# KiCad board 2000ATX.kicad_pcb (continued)
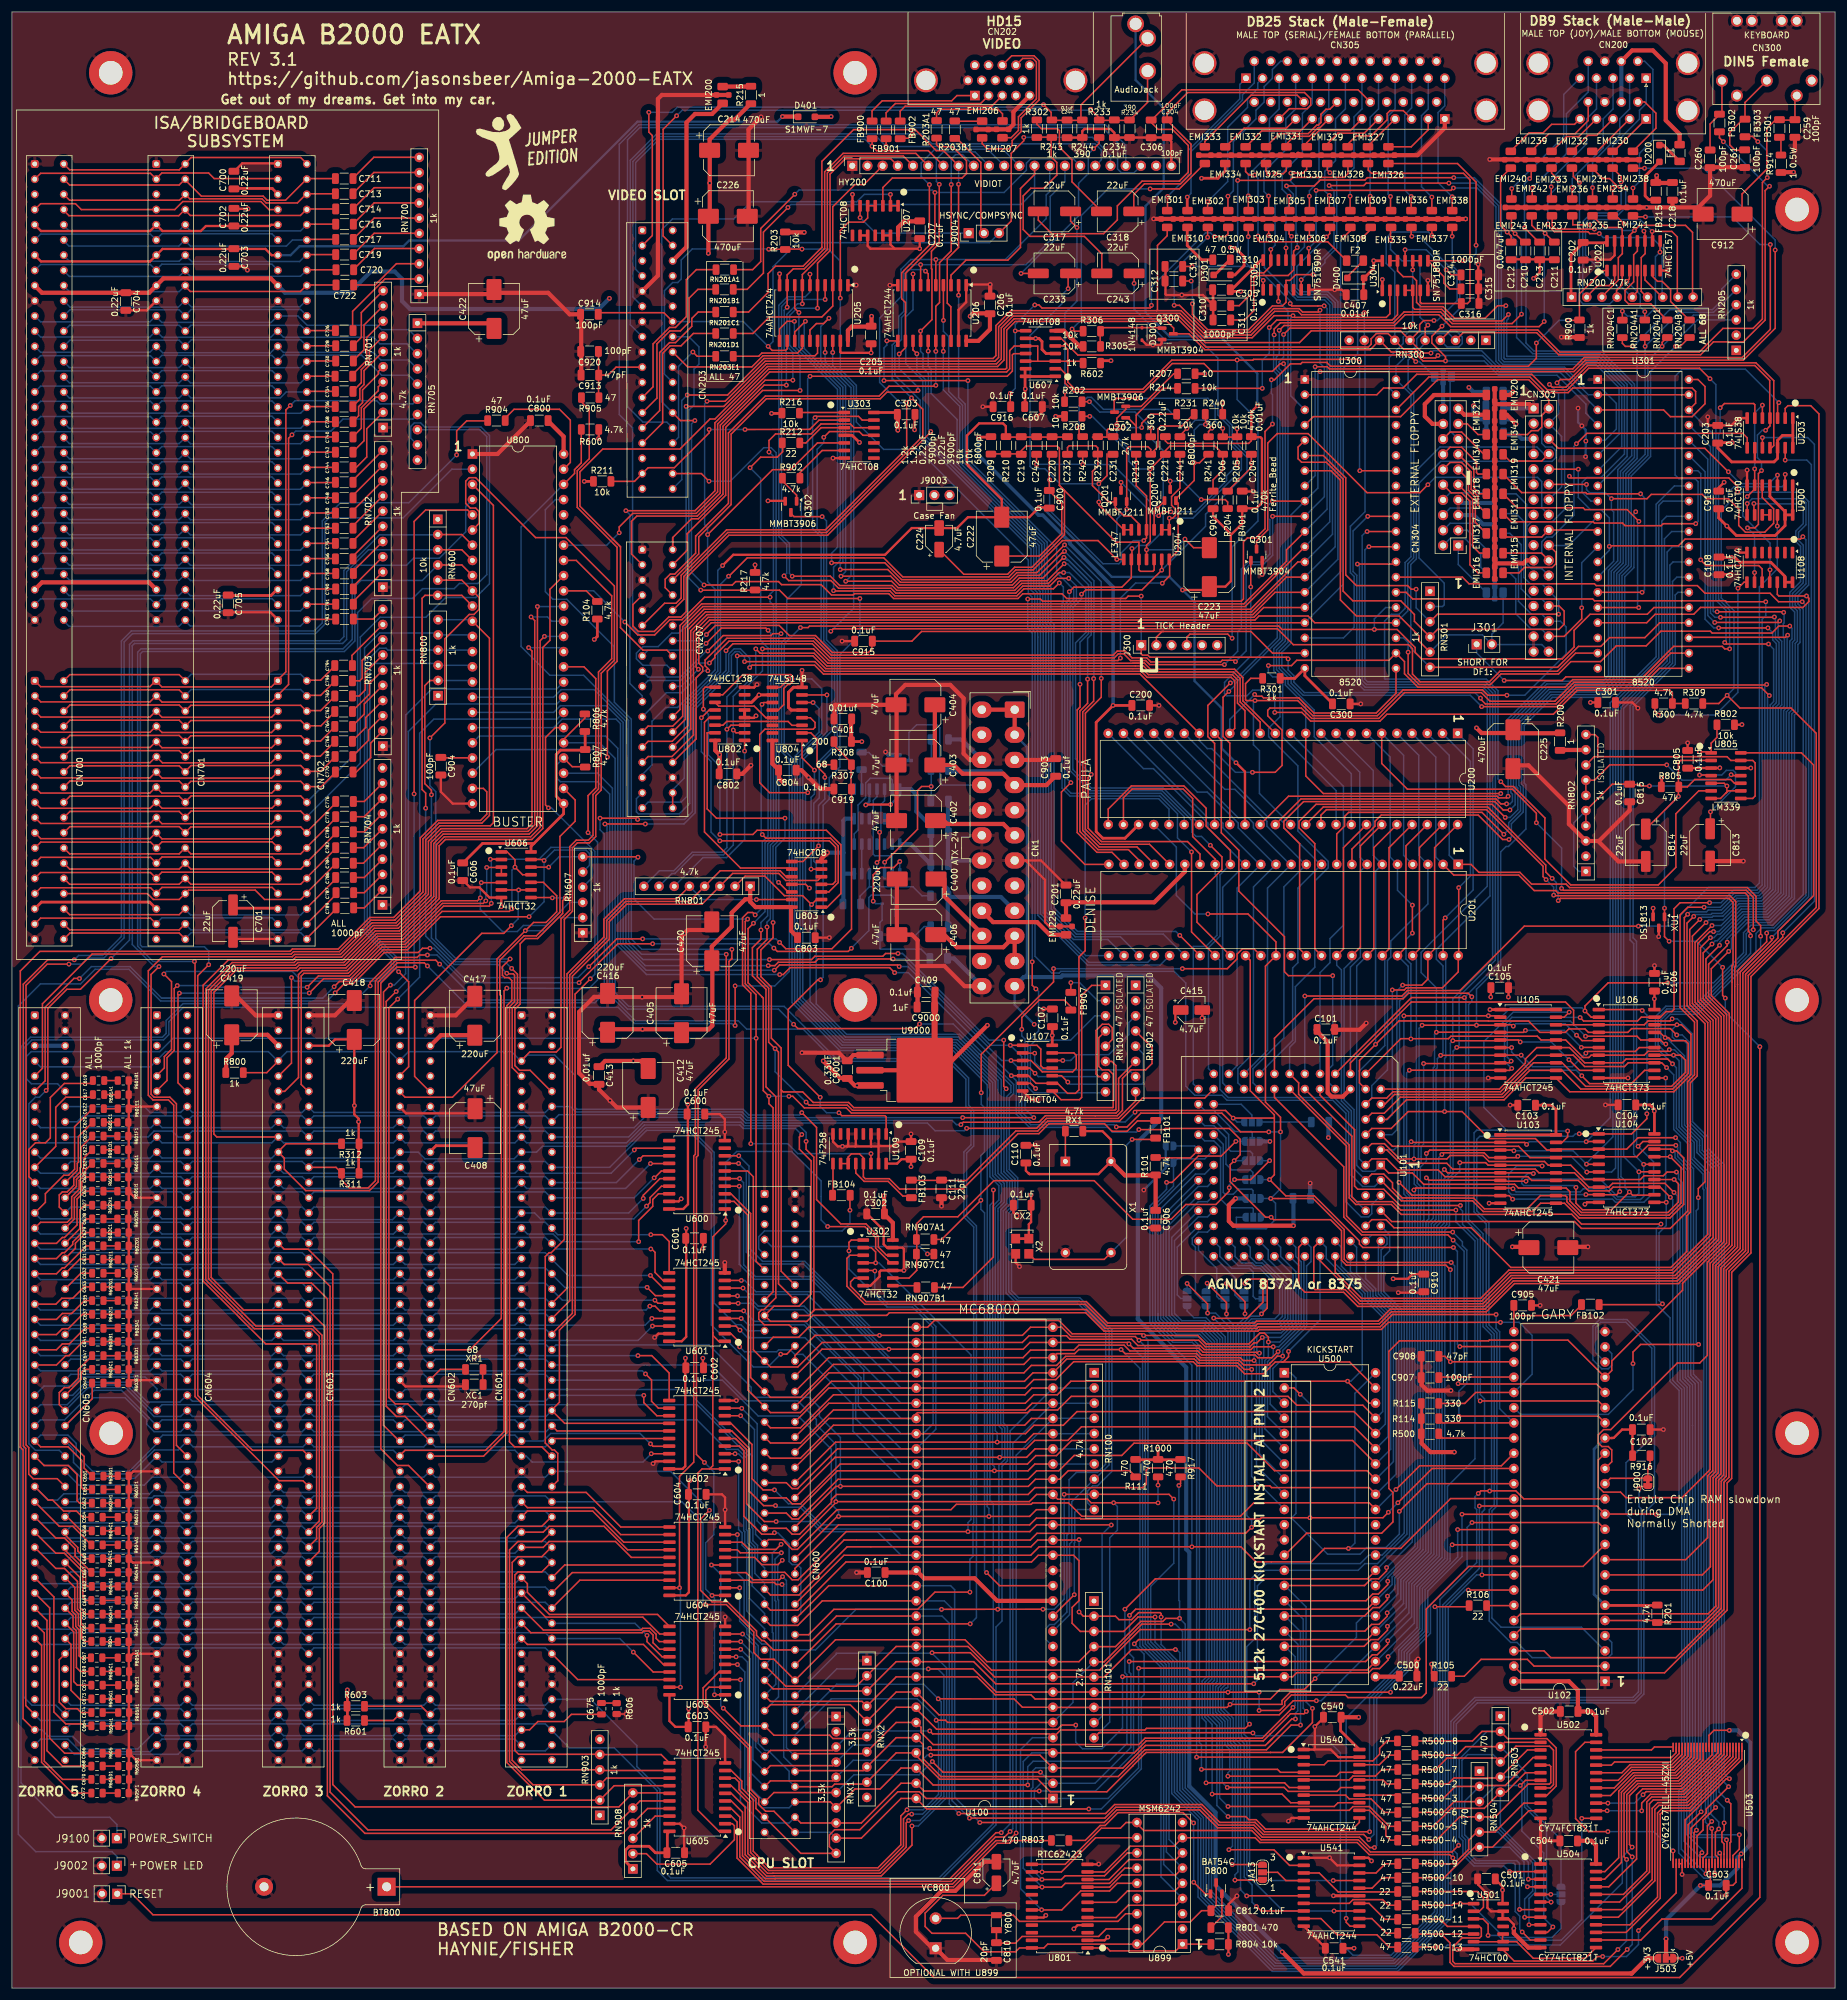
[diagram p0: board, top side]
## Routing (per net, layer and track width the routed paths; a pad name or vN(x,y) marks a point on that pad's centre or on a via; arc(x,y) is an arc through that point) (continued)
PPD0: length 222
  Top w0.25: v1(194.31,281.18) 195.21,281.18 199.72,276.66 206.96,276.66 210.93,280.63 215.21,280.63 215.77,280.06 218.39,280.06 v1(218.69,280.37) ; U300.10 v1(210.77,245.92) ; v1(204.56,221.65) 204.34,221.87 202.36,221.87 202.08,221.6 190.4,221.6 189.72,222.27 187.25,222.27 186.12,223.4 184.78,223.4 184.11,222.72 136.98,222.72 134.15,225.55 119.53,225.55 115.89,221.9 115.89,220.95 116.34,220.49 v1(116.34,220.12) ; 199.9,294.26 v1(199.9,292.56)
  Bottom w0.25: v1(218.69,280.37) 218.69,271.5 219.42,270.78 219.42,249.19 U300.10 ; CN207.23 109.4,216.45 111.92,216.45 115.6,220.12 v1(116.34,220.12) ; v1(204.56,221.65) 206.34,223.44 206.34,237.28 206.91,237.85 209.19,237.85 210.77,239.42 v1(210.77,245.92) ; v1(194.31,281.18) 194.31,286.97 v1(199.9,292.56)
PPD1: length 188.9
  Top w0.25: 206.71,294.26 v1(206.71,292.66) ; CN207.24 111.68,213.64 111.68,227.67 115.31,231.29 205.97,231.29 213.09,238.42 213.09,240.32 U300.11 ; v1(213.72,281.48) 213.72,281.33 213.97,281.08 218.33,281.08 218.35,281.09 v1(219.39,281.09)
  Bottom w0.25: v1(219.39,281.09) 219.87,280.61 219.87,247.1 U300.11 ; v1(206.71,292.66) 206.71,288.91 213.72,281.9 v1(213.72,281.48)
PPD2: length 195.1
  Top w0.25: 210.11,294.26 v1(210.11,292.86) ; U300.12 206.15,230.84 115.49,230.84 112.13,227.48 112.13,212.52 110.48,210.87 106.36,210.87 CN207.25
  Bottom w0.25: v1(210.11,292.86) 209.4,292.15 209.4,287.49 214.13,282.75 214.16,282.75 214.82,282.09 219.46,282.09 220.32,281.24 220.32,245.01 U300.12
PPD3: length 190
  Top w0.25: CN207.26 112.58,212 112.58,227.26 115.71,230.39 207.07,230.39 214.98,238.3 U300.13 ; 213.51,294.26 213.51,293.12 v1(213.92,292.71)
  Bottom w0.25: U300.13 220.78,242.93 220.78,281.41 219.65,282.54 215,282.54 214.34,283.2 214.32,283.2 213.92,283.6 v1(213.92,292.71)
PPD4: length 199.2
  Top w0.25: 216.92,294.26 216.92,292.66 v1(216.87,292.61) ; CN207.27 106.36,208.33 110.38,208.33 113.03,210.98 113.03,212.07 113.03,227.03 115.95,229.94 207.26,229.94 213.08,235.76 U300.14
  Bottom w0.25: U300.14 221.23,240.84 221.23,281.6 219.84,282.99 215.19,282.99 214.51,283.67 214.49,283.67 214.37,283.79 214.37,289.24 216.09,290.96 216.09,291.83 v1(216.87,292.61)
PPD5: length 197.1
  Top w0.25: CN207.28 113.48,210.36 113.48,226.77 116.21,229.49 207.44,229.49 211.17,233.22 U300.15 ; v1(219.76,292.6) 220.32,293.16 220.32,294.21
  Bottom w0.25: U300.15 221.68,238.75 221.68,281.79 220.02,283.44 215.37,283.44 214.82,284 214.82,287.66 v1(219.76,292.6)
PPD6: length 198.2
  Top w0.25: v1(222.71,292.61) 223.72,293.62 223.72,294.21 ; U300.16 209.27,230.68 207.63,229.04 116.39,229.04 113.93,226.58 113.93,209.36 110.36,205.79 106.36,205.79 CN207.29
  Bottom w0.25: U300.16 222.13,236.66 222.13,292.03 v1(222.71,292.61)
PPD7: length 195.9
  Top w0.25: CN207.30 114.38,208.72 114.38,218.92 115.48,220.02 115.48,220.72 114.83,221.37 114.83,226.06 116.92,228.14 U300.17 ; 227.08,293.78 v1(225.83,292.53)
  Bottom w0.25: v1(225.83,292.53) 224.99,291.69 224.99,273.04 222.58,270.63 222.58,234.57 U300.17
PPOUT: length 287
  Top w0.25: 100.38,242.19 94.96,247.61 94.96,253.35 98.77,257.17 111.68,257.17 116.7,262.19 117.54,262.19 126.31,270.95 164.78,270.95 165.86,272.03 165.86,277.24 167.56,278.94 194.9,278.94 199.63,274.21 226.78,274.21 227.24,274.67 227.24,275.59 228.11,276.46 230.07,276.46 RN300.7 232.69,273.84 234.59,273.84 236.03,272.4 238,272.4 v1(238.4,272.8) ; 100.38,242.19 101.74,240.83 ; 100.38,242.19 101.74,240.83 ; 101.74,240.83 101.74,227.32 105.49,223.57 109.48,223.57 CN207.16 ; U301.40 281.89,268.78 283.06,267.61 283.06,264.73 280.91,262.58 277.26,262.58 276.14,263.7 U301.3 ; EMI337.1 v1(237.39,292.86)
  Bottom w0.25: v1(238.4,272.8) 245.87,272.8 248.71,269.95 258.88,269.95 U301.3 ; v1(237.39,292.86) 236.82,293.43 230.74,293.43 229.75,292.45 229.75,288.18 231.19,286.74 RN300.7
PSEL: length 254.6
  Top w0.25: v1(240.79,292.71) EMI338.1 ; v1(239.09,277.7) 237.4,276 237.4,274.87 239.67,272.59 v1(239.67,271.88) 235.91,271.88 234.41,273.39 230.6,273.39 RN300.8 227.08,273.76 199.44,273.76 196.78,276.42 194.22,276.42 194.22,277.37 193.11,278.49 167.74,278.49 166.31,277.05 166.31,270.7 166.1,270.5 126.49,270.5 117.53,261.53 117.53,250.19 114.2,246.86 v1(102.64,246.86)
  Bottom w0.25: v1(240.79,292.71) 240.79,287.81 242.06,286.54 242.06,280.67 v1(239.09,277.7) ; v1(239.67,271.88) 246.15,271.88 248.53,269.49 258.32,269.49 263.14,264.67 263.14,263.14 U301.4 ; CN207.21 105.38,215.91 103.31,217.99 103.31,246.2 v1(102.64,246.86)
PSTROBE: length 219.8
  Top w0.25: 191.39,280.29 191.52,280.41 191.52,291.19 193.14,292.81 193.14,294.23 ; 191.39,280.29 195.46,280.29 199.53,276.21 207.15,276.21 211.11,280.18 215.02,280.18 215.59,279.61 225.76,279.61 v1(226.11,279.96) ; 191.39,280.29 167,280.29 164.51,277.8 164.51,272.77 164.03,272.3 125.75,272.3 119.64,266.19 v1(112.9,266.19)
  Bottom w0.25: v1(226.11,279.96) RN300.9 ; 226.22,275.23 226.22,246.69 223.77,244.24 223.77,236.5 224.39,235.88 224.39,227.38 222.61,225.6 U300.18 ; CN203.36 111.99,252.05 111.99,265.28 v1(112.9,266.19)
R0: length 98.8
  Top w0.25: v1(129.48,267.84) 125.75,267.84 118.88,260.97 118.88,249.63 114.76,245.51 113.61,245.51 110.46,242.37 ; CN207.2 110.46,242.37 ; 110.46,242.37 110.46,240.87 ; v1(129.6,280.86) U205.9 129.6,286.26 130.62,287.27 132.46,287.27 135.87,290.69 135.87,303.49 138.96,306.57 151.11,306.57 HY200.6
  Bottom w0.25: v1(129.6,280.86) 129.11,280.37 129.11,273.81 129.48,273.45 v1(129.48,267.84)
R1: length 105.9
  Top w0.25: HY200.5 149.02,306.12 139.15,306.12 136.32,303.3 136.32,290.5 132.14,286.32 U205.7 v1(132.14,281.43) ; v1(130.56,268.67) 125.94,268.67 118.43,261.16 118.43,249.82 114.57,245.96 104.46,245.96 103.58,245.08 103.58,239.63 CN207.3
  Bottom w0.25: v1(132.14,281.43) 131.32,281.43 129.56,279.67 129.56,274.32 130.56,273.33 v1(130.56,268.67)
R2: length 96.2
  Top w0.25: v1(134.68,280.7) U205.5 134.68,288.23 136.77,290.32 136.77,303.11 139.33,305.67 146.93,305.67 HY200.4 ; v1(131.76,266.95) 125.49,266.95 119.33,260.79 119.33,249.44 112.89,243 112.89,240.25 CN207.4
  Bottom w0.25: v1(134.68,280.7) 131.22,280.7 130.01,279.48 130.01,274.51 131.76,272.76 v1(131.76,266.95)
R3: length 46.4
  Top w0.25: HY200.3 142.43,301.36 140.93,301.36 137.22,297.65 U205.3 137.22,281.05 135.41,279.24 126.63,279.24 123.88,276.48 120.53,276.48
R_W: length 627.7
  Top w0.25: 180.45,51.99 U100.9 164.27,51.99 160.23,56.03 v1(153.83,56.03) ; v1(210.06,220.98) 213.92,220.98 214.8,221.86 230.19,221.86 U300.22 232.82,221.64 232.82,219.62 235.07,217.37 259.67,217.37 260.94,218.64 272.9,218.64 277.32,223.06 U301.22 ; v1(150.47,27.08) 150.47,23.88 145.33,18.74 127.42,18.74 127.4,18.72 126.14,18.72 122.58,22.28 122.58,30.21 120.25,32.54 U605.6 ; v1(274.93,79.15) 274.88,79.2 U102.12 265,80.54 v1(245.34,80.54) ; RN101.6 182.6,51.97 187.17,56.54 192.91,56.54 v1(194.52,56.55) ; v1(275.69,127.66) 262.41,127.66 260.77,129.3 255.51,129.3 255.48,129.27 232.28,129.27 230.62,130.93 224.67,130.93 223.57,132.03 223.57,140.88 215.12,149.33 215.12,151.25 U101.22
  Bottom w0.25: v1(210.06,220.98) 210.06,219.81 210.78,219.09 211.35,219.09 212,218.45 212,212.42 210.1,210.52 210.1,209.11 214.99,204.23 214.99,193.34 220.07,188.26 220.07,187.22 217.82,184.97 217.82,170.58 214.57,167.33 214.57,158.16 213.61,157.2 U101.22 ; v1(153.83,56.03) 153.75,55.95 137.8,55.95 137.8,55.77 CN600.68 ; v1(274.93,79.15) 277.19,79.15 278.72,80.67 278.72,99.87 277.22,101.37 277.22,111.98 274.93,114.27 274.93,126.9 v1(275.69,127.66) ; v1(245.34,80.54) 245.34,70.13 239.2,63.99 239.2,12.19 231.14,4.14 211.28,4.14 199.66,15.76 199.66,28.67 195.26,33.06 195.26,56.03 194.74,56.55 v1(194.52,56.55) ; 153.72,56.03 156.26,53.49 156.26,31.81 151.53,27.08 v1(150.47,27.08)
RAWLEFT: length 161.9
  Top w0.25: v1(192.33,234.75) 193.55,235.97 193.55,238.67 ; 199.56,262.99 199.56,261.24 ; v1(185.32,222.22) 184.92,221.82 136.6,221.82 133.81,224.62 120.53,224.62 v1(119.38,223.47) ; 194.6,248.85 197.66,251.92 v1(197.66,254.86) 198.55,254.86 200.05,256.36 ; 194.6,248.48 194.97,248.11 194.97,240.2 U204.14
  Bottom w0.25: v1(119.38,223.47) 119.38,220.17 113.32,214.11 113.32,197.96 111.56,196.21 104.74,196.21 104.4,196.54 104.4,198.75 CN207.33 ; v1(199.54,261.26) 198.58,261.26 197.66,260.35 v1(197.66,254.86) ; v1(185.32,222.22) 185.32,232.23 187.86,234.77 192.3,234.77
RAWRIGHT: length 156.4
  Top w0.25: U204.8 v1(184.72,238.72) 181.57,241.87 175.63,241.87 170.72,236.96 167.82,236.96 166.65,235.79 148.94,235.79 145.75,238.98 122.93,238.98 119.86,235.92 v1(119.81,235.92) ; 197.59,262.99 195.61,261.01 192.07,261.01 191.6,260.53 191.6,257.56 190.4,256.36 190.4,257.1 189.94,257.56 186.72,257.56 186.37,257.21 v1(186.37,247.11)
  Bottom w0.25: v1(186.37,247.11) 184.72,245.46 v1(184.72,238.72) ; CN207.35 106.36,198.17 111.88,198.17 112.85,199.13 112.85,214.27 118.45,219.88 118.45,234.56 v1(119.81,235.92)
READ: length 376.1
  Top w0.25: U605.14 100.69,33.81 RN903.2 89.02,31.39 82.73,37.68 82.73,75.29 84.59,77.15 88.58,77.15 90.14,78.71 ; 49.5,78.71 50.93,80.14 50.93,107.46 50.76,107.63 42.43,107.63 38.04,112.03 38.04,112.05 31.96,118.13 31.96,167.57 36.2,171.81 46.98,171.81 47.43,172.26 55.1,172.26 60.38,177.54 64.4,177.54 69.62,182.76 69.62,191.63 71.72,193.72 86.1,193.72 86.94,194.57 86.94,223.42 v1(86.39,223.98) ; 13.35,76.39 11.57,76.39 9.25,78.71
  Bottom w0.25: 90.14,78.71 89.16,79.69 70.8,79.69 69.82,78.71 68.84,79.69 50.48,79.69 49.5,78.71 48.52,79.69 30.16,79.69 29.18,78.71 28.2,79.69 9.84,79.69 8.86,78.71 ; v1(86.39,223.98) 91.57,223.98 U800.35
RGA1: length 70.8
  Top w0.25: U201.17 201.17,188.64 197.4,192.4 197.4,198.76 195.81,200.36 187.28,200.36 185.83,198.91 U200.26
  Bottom w0.25: U201.17 201.17,186.13 201.47,185.82 201.47,175.91 199.61,174.05 197.5,174.05 197.5,151.09 U101.33
RGA2: length 70
  Top w0.25: U201.16 203.71,190.1 199.65,194.16 199.65,197.15 195.94,200.86 187.15,200.86 183.29,197 U200.25
  Bottom w0.25: U101.32 200.04,153.63 200.04,173.85 201.97,175.77 201.97,186.02 U201.16
RGA3: length 71.9
  Bottom w0.25: U101.31 202.42,151.25 202.42,183.93 U201.15 ; 206.06,187.76 199.94,193.87 199.94,194.66 190.84,203.76 189.18,203.76 U200.24
RGA4: length 69.5
  Bottom w0.25: U101.30 204.83,154.13 204.83,183.8 U201.14 ; U200.23 199.94,195.54 201.57,195.54 202.48,194.62 202.48,193.87 208.6,187.76
RGA5: length 72.9
  Bottom w0.25: U200.22 198.18,199.84 199.84,199.84 205.02,194.66 205.02,193.87 211.14,187.76 ; U101.29 204.96,151.25 204.96,153.62 207.57,156.23 207.57,184 U201.13
RGA6: length 70.6
  Bottom w0.25: U200.21 205.02,195.54 206.69,195.54 207.56,194.66 207.56,193.87 213.68,187.76 ; U201.12 209.91,183.8 209.91,156.67 U101.28
RGA7: length 74
  Bottom w0.25: U101.27 207.5,151.25 207.5,153.62 212.65,158.77 212.65,184 U201.11 ; 216.22,187.76 209.81,194.16 209.81,194.95 204.46,200.3 202.79,200.3 U200.20
RGA8: length 71.6
  Bottom w0.25: 218.76,187.76 212.64,193.87 212.64,194.66 211.77,195.54 210.1,195.54 U200.19 ; U201.10 214.99,183.8 214.99,171.34 214.12,170.47 214.12,158.34 U101.26
TBASE: length 115.3
  Top w0.25: v1(116.1,226.16) 117.63,227.69 128.27,227.69 129.97,226 134.34,226 137.16,223.17 143.19,223.17 143.77,223.75 143.77,225.07 150.47,225.07 152.08,226.68 192.52,226.68 ; 192.52,226.68 192.29,226.68 191.34,225.73 J300.2 ; 192.52,226.68 207.14,226.68 210.76,223.06 U300.19
  Bottom w0.25: CN207.14 115.07,225.13 v1(116.1,226.16)
VCDAC: length 208.3
  Top w0.25: v1(129.9,149.02) 130.54,149.02 132.48,147.08 139.49,147.08 140.35,146.22 184.59,146.22 185.02,146.64 185.02,152 RN902.6 ; v1(116.05,224.69) 118.61,227.24 126.05,227.24 v1(126.42,226.87) ; CN600.15 127.25,116.34 127.25,147.08 126.56,147.77 v1(126.56,149.02) 125.61,149.96 125.61,165.42 125.4,165.63 125.4,165.64 123.07,167.97 123.07,177.02 v1(123.97,177.93)
  Bottom w0.25: v1(123.97,177.93) 125.9,179.87 125.9,191.35 126.86,192.31 126.86,226.43 v1(126.42,226.87) ; v1(129.9,149.02) v1(126.56,149.02) ; CN207.15 106.36,223.57 114.93,223.57 v1(116.05,224.69)
Vref: length 78.4
  Top w0.25: C224.1 159.14,236.24 166.46,236.24 167.63,237.41 170.53,237.41 175.96,242.84 175.96,250.25 175.26,250.95 ; 168.55,256.69 169.52,257.65 174.75,257.65 175.12,257.28 175.12,251.12 175.11,251.11 175.26,250.95 ; 163.68,256.36 168.55,256.36 ; 175.26,250.95 184.61,241.6 188.42,241.6 U204.10 188.42,236.98 188.67,236.73 190.75,236.73 190.96,236.93 U204.12
XCLK: length 148.3
  Top w0.25: v1(123.4,254.04) 125.17,255.8 127.94,255.8 128.85,256.71 128.85,258.19 ; v1(124.25,179.32) 123.85,179.72 123.02,179.72 122.15,178.85 122.15,167.62 123.53,166.24 v1(123.53,141.09) ; U109.14 v1(143.62,139.43)
  Bottom w0.25: v1(143.62,139.43) 131.36,139.43 129.7,141.09 v1(123.53,141.09) ; v1(124.25,179.32) 125.45,180.51 125.45,191.54 126.41,192.5 126.41,223.91 125.17,225.15 125.17,252.27 123.43,254.01
XRDY: length 311.7
  Top w0.25: 133.89,113.04 134.23,113.38 179.61,113.38 182.77,110.22 208.12,110.22 208.4,110.5 228.75,110.5 230.81,112.55 v1(248.13,112.55) ; 133.89,113.04 133.23,112.38 CN600.18 ; 133.89,113.04 134.07,113.22 134.07,138.84 132.77,140.14 v1(132.77,141.48) ; 238.48,95.15 239.19,94.44 U102.31
  Bottom w0.25: 29.18,142.21 30.16,143.19 48.52,143.19 49.5,142.21 50.48,143.19 68.84,143.19 69.82,142.21 70.8,143.19 89.16,143.19 90.14,142.21 103.09,142.21 105.56,144.68 121.87,144.68 122.46,144.09 131.65,144.09 132.78,142.96 132.78,141.47 ; v1(248.13,112.55) 248.13,110.25 248.72,109.66 248.72,96.82 U102.31 ; CN605.18 22.77,142.21 23.75,143.19 26.8,143.19 27.78,142.21 CN604.18
Net-(BT800-+): length 114.3
  Top w0.25: 173.74,24.64 167.26,24.64 166.81,24.19 164.7,24.19 157.43,16.92 BT800.1
Net-(C231-Pad2): length 16.8
  Top w0.25: v1(185.78,260.76) 185.54,260.52 183.31,260.52 183.08,260.3 183.08,259.16 180.64,259.16 ; v1(188.87,260.76) 188.87,261.47 190.4,262.99 194.79,262.99
  Bottom w0.25: v1(185.78,260.76) v1(188.87,260.76)
Net-(C233-Pad2): length 31.1
  Top w0.25: C233.2 v1(168.71,286.51) ; v1(180.85,307.34) 181.77,308.26 181.77,309.29
  Bottom w0.25: v1(168.71,286.51) 178.33,296.13 178.33,301.57 179.95,303.2 179.95,306.45 v1(180.85,307.34)
Net-(C241-Pad2): length 34.9
  Top w0.25: 195.28,259.44 v1(196.44,260.6) ; v1(178.41,260.76) 178.41,259.31 ; 200.05,259.16 200.05,260.1 v1(200.61,260.65)
  Bottom w0.25: v1(178.41,260.76) 178.41,264.42 179.79,265.8 180.48,265.8 182.49,263.8 193.25,263.8 v1(196.44,260.6) 197.83,261.99 199.89,261.99 200.61,261.27 v1(200.61,260.65)
Net-(C259-Pad1): length 24.4
  Top w0.25: 294.8,312.13 293.39,310.72 293.39,303.93 289.25,299.78 C912.1 ; 295.5,312.13 298.09,312.13 298.09,315.93
Net-(C260-Pad1): length 11.9
  Top w0.25: 283.91,307.06 283.91,311.48 285.48,313.05 ; CN300.1 285.89,313.47
Net-(C304-Pad1): length 58.7
  Top w0.25: CN305.36 213.56,314.04 216.55,314.04 217.13,314.62 217.13,315.7 216.1,316.74 196.57,316.74 193.13,313.3 193.13,312.1 197.12,308.11 197.12,303.22 195.39,301.48 189.34,301.48 187.56,299.71 C318.1
Net-(C306-Pad1): length 85
  Top w0.25: C317.2 171.59,295.41 173.85,293.15 182.51,293.15 184.81,295.45 184.81,297.79 188.95,301.93 195.2,301.93 195.21,301.94 195.21,301.97 196.67,303.43 196.67,307.89 196,308.56 196,308.59 194.02,310.58 191.63,310.58 190.46,311.75 ; 190.46,312.07 195.58,317.19 225.06,317.19 CN305.43
Net-(C310-Pad1): length 30.3
  Top w0.25: v1(210.46,290.53) U305.13 210.46,287.76 209.32,286.61 207.62,286.61 207.16,286.16 207.16,283.11 205.18,281.13 203.69,281.13 ; v1(211.18,303.17) 212.55,303.17 213.06,303.68 213.06,304.82
  Bottom w0.25: v1(210.46,290.53) 211.18,291.24 v1(211.18,303.17)
Net-(C311-Pad1): length 38
  Top w0.25: v1(214.88,290.83) 214.27,290.22 U305.10 214.27,287.07 213.37,286.16 208.08,286.16 207.61,285.69 207.61,280.26 206.1,278.74 203.69,278.74 ; v1(213.82,303.28) 215.85,303.28 216.46,303.89 216.46,304.82
  Bottom w0.25: v1(214.88,290.83) 214.88,293.03 214.69,293.22 214.69,300.98 213.82,301.85 v1(213.82,303.28)
Net-(C312-Pad1): length 55.1
  Top w0.25: v1(220.34,303.35) 219.91,303.78 219.91,304.82 ; v1(197.36,281.43) 197.36,279.66 199.91,277.11 206.78,277.11 210.74,281.08 212.39,281.08 213,281.69 U305.4 213,285.34 213.66,285.34 214.63,286.31 v1(217.53,286.31) ; 195.66,285.24 v1(197.15,285.24)
  Bottom w0.25: v1(217.53,286.31) 219.52,288.3 219.52,288.78 221.48,290.75 221.48,302.22 v1(220.34,303.35) ; v1(197.15,285.24) 197.36,285.04 v1(197.36,281.43)
Net-(C313-Pad1): length 52
  Top w0.25: 223.36,304.79 223.36,303.19 222.73,302.56 214.18,302.56 213.67,302.06 v1(204.93,302.06) ; U305.1 v1(209.19,285.34) ; 195.66,287.68 v1(197.31,287.68)
  Bottom w0.25: v1(209.19,285.34) 207.06,287.48 ; 207.06,287.48 206.86,287.68 v1(197.31,287.68) ; 207.06,287.48 204.93,289.61 v1(204.93,302.06)
Net-(C314-Pad2): length 48.9
  Top w0.25: 242.34,286.26 240.64,286.26 v1(239.78,287.12) ; U304.11 v1(232.92,290.47) ; v1(210.06,303.17) 209.65,303.58 209.65,304.87
  In1.Cu w0.25: v1(232.92,290.47) 226.21,290.47 225,291.69 225,300.37 221.23,304.14 211.07,304.14 210.1,303.17 v1(210.06,303.17)
  Bottom w0.25: v1(232.92,290.47) 236.42,290.47 v1(239.78,287.12)
Net-(C315-Pad2): length 44.5
  Top w0.25: C315.2 240.38,283.92 239.41,284.89 239.41,285.95 U304.8 242.6,288.63 v1(242.61,288.64) ; v1(244.79,291.22) 244.79,301.77 241.68,304.87 EMI326.1
  Bottom w0.25: v1(242.61,288.64) 243.56,288.64 244.79,289.87 v1(244.79,291.22)
Net-(C316-Pad2): length 49.6
  Top w0.25: U304.6 235.46,281.69 235.66,281.48 242.39,281.48 ; 226.76,304.79 226.76,303.77 227.29,303.24 242.68,303.24 243.76,302.16 243.76,281.89 243.35,281.48 C316.2
Net-(C318-Pad2): length 21.3
  Top w0.25: 171.35,312.09 171.35,311.45 172.12,310.69 174.81,310.69 175.12,310.38 175.12,307.6 177.22,305.5 177.22,301.81 C318.2
Net-(C617-Pad1): length 2.3
  Top w0.25: 15.42,149.29 17.67,149.29
Net-(C619-Pad1): length 2.3
  Top w0.25: 17.67,151.64 15.42,151.64
Net-(C620-Pad1): length 2.3
  Top w0.25: 17.6,144.65 15.35,144.65
Net-(C621-Pad1): length 2.3
  Top w0.25: 15.29,140.08 17.6,140.08
Net-(C622-Pad1): length 2.3
  Top w0.25: 15.35,146.94 17.67,146.94
Net-(C623-Pad1): length 2.3
  Top w0.25: 17.6,142.37 15.3,142.37
Net-(C624-Pad1): length 2.3
  Top w0.25: 15.29,137.79 17.6,137.79
Net-(C625-Pad1): length 2.3
  Top w0.25: 17.6,135.51 15.29,135.51
Net-(C626-Pad1): length 2.3
  Top w0.25: 15.29,133.16 17.6,133.16
Net-(C627-Pad1): length 2.3
  Top w0.25: 15.29,130.81 17.6,130.81
Net-(C628-Pad1): length 2.3
  Top w0.25: 17.6,128.52 15.29,128.52
Net-(C629-Pad1): length 2.4
  Top w0.25: 15.29,126.24 17.67,126.24
Net-(C630-Pad1): length 2.4
  Top w0.25: 15.29,124.02 17.67,124.02
Net-(C631-Pad1): length 2.3
  Top w0.25: 17.67,121.73 15.35,121.73
Net-(C632-Pad1): length 2.4
  Top w0.25: 15.29,119.44 17.67,119.44
Net-(C633-Pad1): length 2.4
  Top w0.25: 17.67,117.16 15.29,117.16
Net-(C635-Pad1): length 2.4
  Top w0.25: 15.29,114.87 17.67,114.87
Net-(C637-Pad1): length 2.4
  Top w0.25: 17.67,112.59 15.29,112.59
Net-(C639-Pad1): length 2.3
  Top w0.25: 15.29,110.24 17.6,110.24
Net-(C641-Pad1): length 2.4
  Top w0.25: 17.67,108.01 15.29,108.01
Net-(C645-Pad1): length 2.4
  Top w0.25: 17.67,103.38 15.29,103.38
Net-(C647-Pad1): length 2.4
  Top w0.25: 15.29,105.66 17.67,105.66
Net-(C649-Pad1): length 2.4
  Top w0.25: 15.29,101.09 17.67,101.09
Net-(C650-Pad1): length 2.4
  Top w0.25: 17.67,83.31 15.29,83.31
Net-(C651-Pad1): length 2.3
  Top w0.25: 15.29,85.53 17.6,85.53
Net-(C652-Pad1): length 2.4
  Top w0.25: 15.24,81.03 17.67,81.03
Net-(C654-Pad1): length 2.5
  Top w0.25: 17.67,78.68 15.16,78.68
Net-(C655-Pad1): length 2.5
  Top w0.25: 17.67,74.04 15.16,74.04
Net-(C657-Pad1): length 2.5
  Top w0.25: 17.67,69.47 15.16,69.47
Net-(C658-Pad1): length 2.4
  Top w0.25: 15.23,76.39 17.67,76.39
Net-(C659-Pad1): length 2.5
  Top w0.25: 15.16,64.77 17.67,64.77
Net-(C660-Pad1): length 2.4
  Top w0.25: 15.23,71.75 17.67,71.75
Net-(C661-Pad1): length 2.5
  Top w0.25: 15.16,60.13 17.67,60.13
Net-(C662-Pad1): length 2.4
  Top w0.25: 15.23,67.12 17.67,67.12
Net-(C663-Pad1): length 2.5
  Top w0.25: 17.67,62.48 15.16,62.48
Net-(C664-Pad1): length 2.6
  Top w0.25: 15.16,43.81 17.73,43.81
Net-(C665-Pad1): length 2.4
  Top w0.25: 17.67,57.85 15.23,57.85
Net-(C666-Pad1): length 2.6
  Top w0.25: 15.16,39.24 17.73,39.24
Net-(C667-Pad1): length 2.6
  Top w0.25: 15.1,55.18 17.67,55.18
Net-(C668-Pad1): length 2.6
  Top w0.25: 17.73,37.08 15.16,37.08
Net-(C669-Pad1): length 2.6
  Top w0.25: 17.73,52.9 15.16,52.9
Net-(C670-Pad1): length 2.6
  Top w0.25: 15.16,34.86 17.73,34.86
Net-(C671-Pad1): length 2.6
  Top w0.25: 15.16,50.61 17.73,50.61
Net-(C672-Pad1): length 2.5
  Top w0.25: 17.67,32.58 15.16,32.58
Net-(C673-Pad1): length 2.6
  Top w0.25: 17.73,48.32 15.16,48.32
Net-(C674-Pad1): length 2.6
  Top w0.25: 15.16,46.04 17.73,46.04
Net-(C675-Pad1): length 2.5
  Top w0.25: R606.2 98.58,47.61
Net-(C711-Pad2): length 49.4
  Top w0.25: 54.15,302.36 49.1,302.36 ; 28.93,302.26 27.95,301.28 9.64,301.28 CN700.A2 ; 28.89,302.2 31.67,299.43 41.99,299.43 42.68,298.74 45.73,298.74 49.25,302.26
Net-(C713-Pad2): length 47.7
  Top w0.25: 49.1,299.82 54.15,299.82 ; CN700.A3 9.64,298.74 28,298.74 CN701.A3 29.73,298.98 41.81,298.98 42.49,298.29 47.72,298.29 49.25,299.82
Net-(C714-Pad2): length 47.3
  Top w0.25: 28.87,297.14 27.89,296.16 9.53,296.16 8.6,297.09 ; 28.89,297.12 29.82,296.19 48.23,296.19 49.21,297.17 ; 49.1,297.28 54.2,297.28
Net-(C716-Pad2): length 47.1
  Top w0.25: 49.25,294.74 54.2,294.74
  Bottom w0.25: 28.91,294.55 29.84,293.62 48.25,293.62 49.23,294.6 ; 8.6,294.55 9.53,293.62 27.89,293.62 28.87,294.6
Net-(C717-Pad2): length 47.2
  Top w0.25: 49.25,292.2 54.2,292.2
  Bottom w0.25: 28.91,292.01 29.84,291.08 45.89,291.08 46.9,292.1 CN702.A6 ; 8.6,292.01 9.53,291.08 27.89,291.08 28.87,292.06
Net-(C719-Pad2): length 47.3
  Top w0.25: 49.25,289.66 54.2,289.66
  Bottom w0.25: 28.93,289.53 27.95,288.55 9.59,288.55 8.66,289.48 ; 28.93,289.61 30.04,288.5 48.09,288.5 49.25,289.66
Net-(C720-Pad2): length 47.2
  Top w0.25: 49.25,287.12 54.25,287.12
  Bottom w0.25: 8.66,286.94 9.59,286.01 27.95,286.01 28.93,286.99 ; 49.21,287.01 48.23,286.03 29.82,286.03 28.89,286.96
Net-(C722-Pad2): length 47.2
  Top w0.25: 28.89,284.42 29.82,283.49 48.23,283.49 49.21,284.47 ; 49.25,284.58 54.25,284.58
  Bottom w0.25: 8.66,284.4 9.59,283.47 27.95,283.47 28.93,284.45
Net-(C726-Pad2): length 47.1
  Top w0.25: 49.25,276.96 54.15,276.96
  Bottom w0.25: CN700.A12 9.64,277.84 27.95,277.84 28.93,276.86 29.91,277.84 48.27,277.84 49.25,276.86
Net-(C728-Pad2): length 47.2
  Top w0.25: 54.2,274.42 49.25,274.42
  Bottom w0.25: 49.25,274.42 48.27,275.4 29.96,275.4 28.93,274.37 27.95,275.35 9.69,275.35 CN700.A13
Net-(C730-Pad2): length 47.1
  Top w0.25: 49.25,271.88 54.2,271.88
  Bottom w0.25: 49.23,271.74 48.25,270.76 29.84,270.76 28.91,271.69 ; 8.66,271.71 9.59,270.78 27.95,270.78 28.93,271.76
Net-(C732-Pad2): length 47
  Top w0.25: 54.1,269.34 49.25,269.34
  Bottom w0.25: 28.91,269.15 29.84,268.22 48.25,268.22 49.23,269.2 ; 8.66,269.17 9.59,268.24 27.95,268.24 28.93,269.22
Net-(C734-Pad2): length 47.1
  Top w0.25: 49.25,266.8 54.15,266.8
  Bottom w0.25: 8.66,266.63 9.59,265.7 27.95,265.7 28.93,266.68 ; 49.25,266.7 45.85,266.7 44.87,265.72 29.91,265.72 28.93,266.7
Net-(C736-Pad2): length 47
  Top w0.25: 54.12,264.26 49.25,264.26
  Bottom w0.25: 28.91,264.07 29.84,263.14 48.25,263.14 49.23,264.12 ; 8.66,264.09 9.59,263.16 27.95,263.16 28.93,264.14
Net-(C738-Pad2): length 47.1
  Top w0.25: 49.25,261.72 54.15,261.72
  Bottom w0.25: 8.66,261.55 9.59,260.62 27.95,260.62 28.93,261.6 ; 28.93,261.62 29.91,260.64 48.27,260.64 49.25,261.62
Net-(C740-Pad2): length 47.1
  Top w0.25: 49.25,259.18 54.15,259.18
  Bottom w0.25: 28.91,258.99 29.84,258.06 48.25,258.06 49.23,259.04 ; 8.66,259.01 9.59,258.08 27.95,258.08 28.93,259.06
Net-(C742-Pad2): length 47.1
  Top w0.25: 49.25,256.64 54.15,256.64
  Bottom w0.25: 28.91,256.45 29.84,255.52 48.25,255.52 49.23,256.5 ; 8.66,256.47 9.59,255.54 27.95,255.54 28.93,256.52
Net-(C744-Pad2): length 47.1
  Top w0.25: 54.15,254.1 49.25,254.1
  Bottom w0.25: 28.91,253.91 29.84,252.98 48.25,252.98 49.23,253.96 ; 8.66,253.93 9.59,253 27.95,253 28.93,253.98
Net-(C746-Pad2): length 47
  Top w0.25: 49.25,251.56 54.1,251.56
  Bottom w0.25: 28.91,251.37 29.84,250.44 48.25,250.44 49.23,251.42 ; 8.66,251.39 9.59,250.46 27.95,250.46 28.93,251.44
Net-(C748-Pad2): length 47.2
  Top w0.25: 49.25,249.02 54.15,249.02
  Bottom w0.25: 8.66,248.85 9.59,247.92 27.95,247.92 28.93,248.9 ; 28.93,248.97 30,247.9 48.13,247.9 49.25,249.02
Net-(C750-Pad2): length 47.1
  Top w0.25: 54.15,246.48 49.25,246.48
  Bottom w0.25: 28.93,246.36 27.95,245.38 9.59,245.38 8.66,246.31 ; 28.91,246.29 29.84,245.36 48.25,245.36 49.23,246.34
Net-(C752-Pad2): length 47.1
  Top w0.25: 49.25,243.94 54.15,243.94
  Bottom w0.25: 28.93,243.82 27.95,242.84 9.59,242.84 8.66,243.77 ; 49.23,243.8 48.25,242.82 29.84,242.82 28.91,243.75
Net-(C754-Pad2): length 47.1
  Top w0.25: 54.15,241.4 49.25,241.4
  Bottom w0.25: 28.93,241.28 27.95,240.3 9.59,240.3 8.66,241.23 ; 49.23,241.26 48.25,240.28 29.84,240.28 28.91,241.21
